# Allegro board FMDEMOD-57.brd (continued)
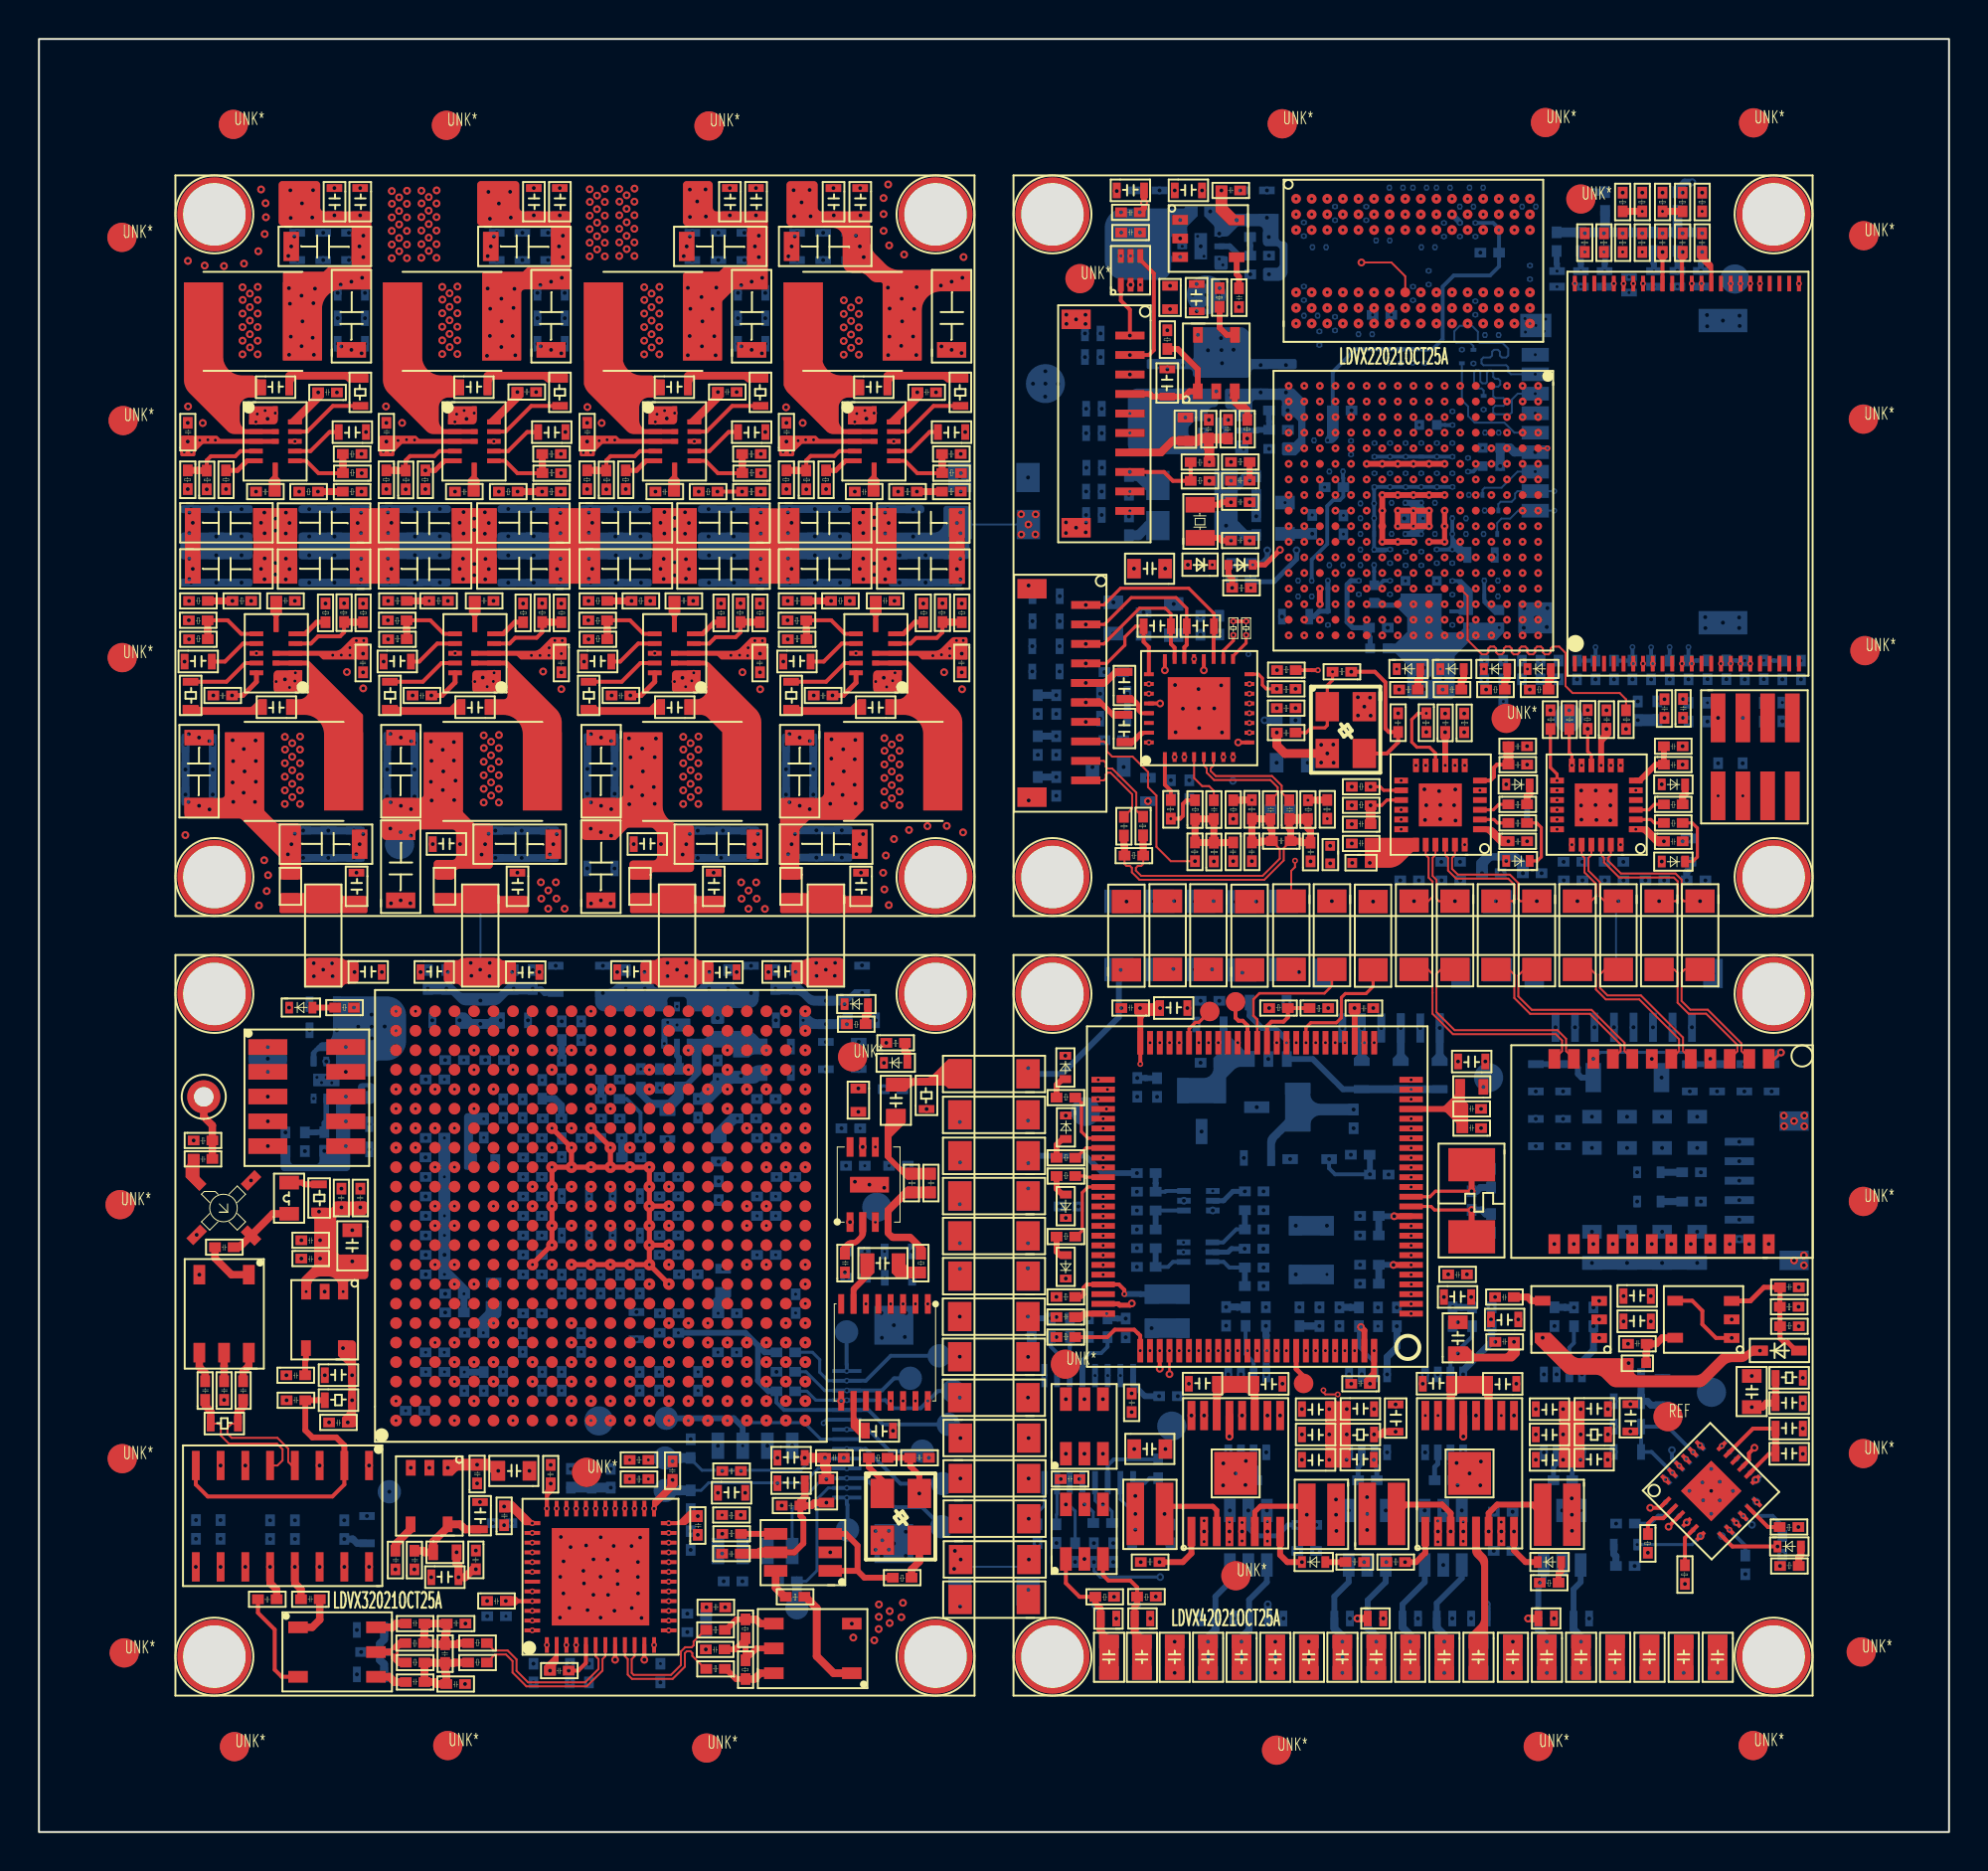
[diagram p0: board, top side]
## Routing (per net, layer and track width the routed paths; a pad name or vN(x,y) marks a point on that pad's centre or on a via; arc(x,y) is an arc through that point) (continued)
  BOTTOM w0.3: R209.2 79.11,80.47 79.11,80.47 v2(79.11,80.09)
N7099288: length 4.3
  TOP w0.2: U3.1 55.51,78.58 55.97,78.11 v9(55.97,76.78)
  SIGNAL-L3 w0.3: v9(55.97,76.78) 54.95,76.78 54.84,76.89 v12(54.47,76.89)
N7119824: length 1.4
  BOTTOM w0.2: U47.1 56.74,17.92 56.98,18.16 C596.1
N7119928: length 2.6
  BOTTOM w0.16: U47.4 54.19,17.01 54.46,16.73 54.77,16.73 55.05,16.45 C601.1
N7119940: length 2.4
  BOTTOM w0.16: U47.2 55.48,17.07 56.09,16.46 C607.1
N7119964: length 3.6
  BOTTOM w0.2: C596.2 55.14,19.12 54.84,18.81 U47.3
N7119992: length 3.2
  BOTTOM w0.16: C611.1 53.16,16.47 52.88,16.74 U47.6
N7120000: length 2.3
  BOTTOM w0.16: U47.5 53.53,16.97 54.09,16.42 C601.2
N7120004: length 2.4
  BOTTOM w0.2: U41.3 57.82,32.89 57.78,32.85 R324.2
  BOTTOM w0.3: R322.2 57.29,33.29 R324.2
N7132397: length 9
  SIGNAL-L7 w0.1: v19(54.84,23.42) 55.47,22.78 55.47,15.18 v14(55.12,14.82)
N7132401: length 2.1
  BOTTOM w0.16: U47.7 52.23,16.31 52.2,16.28 R368.1
N7132405: length 8.8
  SIGNAL-L7 w0.1: v19(54.19,23.42) 53.86,23.09 53.86,15.09 v14(54.12,14.82)
N7132409: length 2.3
  BOTTOM w0.16: U47.8 51.59,16.75 51.23,16.39 R369.1
N7132815: length 6.5
  SIGNAL-L3 w0.1: v12(55.76,26.34) 56.17,26.34 57.46,27.64 57.46,29.31 58.4,30.25 v5(58.72,30.25)
  BOTTOM w0.3: R349.2 55.32,26.35 55.33,26.34 v12(55.76,26.34)
N7132819: length 2.5
  BOTTOM w0.2: R335.2 57.93,29 58.18,29.25 U42.1
  BOTTOM w0.3: R334.2 R335.2
N7301618: length 2.9
  BOTTOM w0.2: R331.2 61.43,30.92 60.76,30.25 U42.4
  BOTTOM w0.3: R331.2 R329.2
N7301681: length 2.4
  BOTTOM w0.2: U41.1 R330.2
  BOTTOM w0.3: R330.2 R332.2
N7301693: length 2.7
  BOTTOM w0.2: U42.6 60.78,29.25 61.07,28.97 61.38,28.97 61.38,28.97 R336.2
  BOTTOM w0.3: R336.2 R338.2
N7303091: length 2
  BOTTOM w0.2: R346.1 52.9,24.91 52.88,24.89 U47.11
N7303129: length 2.1
  BOTTOM w0.2: U47.10 52.23,24.58 51.91,24.91 R347.1
N7303150: length 2.9
  BOTTOM w0.2: U47.12 53.53,24.21 53.9,24.57 54.5,24.57 54.83,24.9 R349.1
N7303177: length 9.3
  SIGNAL-L3 w0.1: v12(56.33,29.96) 55.82,29.96 55.45,29.59 55.45,28.36 54.83,27.74 54.01,27.74 52.96,26.7 52.96,24.8 v5(51.59,23.42)
N7304159: length 13.8
  SIGNAL-L3 w0.1: v12(53.87,26.36) 54.4,25.83 56.2,25.83 56.7,25.33 57.59,25.33 59.69,27.44 59.69,32.36 v5(60.22,32.89)
  BOTTOM w0.3: R346.2 v12(53.87,26.36)
N7304177: length 12.6
  SIGNAL-L7 w0.1: v14(51.91,26.36) 52.61,26.36 54.21,27.96 57.94,27.96 60.22,30.24 v14(60.22,31.89)
  BOTTOM w0.3: R348.2 v14(51.91,26.36)
N7355971: length 11.3
  SIGNAL-L3 w0.1: v9(58.2,44.28) 58.2,43.86 57.02,42.69 57.02,41.98 51.54,36.5 v9(50.75,36.5)
N7356015: length 16.4
  SIGNAL-L3 w0.1: v9(50.76,34.32) 52.94,34.32 53.69,35.07 55.44,35.07 55.9,35.53 55.9,39.67 57.24,41.01 57.68,41.01 58.26,41.59 58.26,41.76 60.19,43.69 v9(60.19,44.26)
N7356169: length 33
  SIGNAL-L7 w0.1: v18(64.65,44.12) 64.65,43.16 66.26,41.55 66.26,37.79 65.17,36.69 65.17,33.9 63.9,32.63 63.9,31.32 63.59,31.02 63.59,29.78 62.83,29.01 61.62,29.01 57.9,25.28 51.96,25.28 51.13,26.11 51.13,27.82 v14(50.75,28.21)
N7362382: length 1.1
  BOTTOM w0.36: D41.2 R321.1
N7362412: length 1.1
  BOTTOM w0.36: R327.1 D42.2
N7454523: length 2.8
  SIGNAL-L4 w0.1: v16(37.38,14.42) 36.76,14.42 36.01,15.17 v10(36.01,16.27)
N7455499: length 1.1
  TOP w0.38: D11.2 42.53,42 42.41,41.88 R136.2
N7455557: length 1.1
  TOP w0.38: 44.55,39.47 44.55,39.95 44.43,40.07 R137.2
N7467286: length 1.7
  SIGNAL-L3 w0.2: v5(21.82,23.6) 22.05,23.83 22.05,23.85 v8(22.32,24.11)
  BOTTOM w0.36: C589.2 v5(21.82,23.6)
N7498655: length 1.7
  TOP w0.4: U29.4 19.07,15.53 18.29,14.76 C211.2
N7538451: length 0.7
  SIGNAL-L3 w0.2: v8(28.32,42.11) 28.32,42.09 v5(27.82,41.6)
N7578107: length 3.4
  TOP w0.38: C143.2 R142.2 8.89,36.26 8.46,36.7 TP3.1
N7578935: length 3.6
  TOP w0.38: C149.2 10.29,30.01 A1.3 12,31.72 L19.1
N7579108: length 1.6
  TOP w0.3: R148.1 13.62,33.23 13.53,33.32 L19.2
N7579398: length 2.7
  TOP w0.38: C149.1 9.03,29.44 9.88,28.6 T2.1
N7579484: length 1.5
  TOP w0.38: T2.4 9.5,23.92 9.5,23.92 C172.2
N7579488: length 1.6
  TOP w0.38: C171.2 8.53,23.56 8.23,23.86 8.23,24.6
N7579492: length 1.6
  TOP w0.38: C173.2 10.47,23.62 10.77,23.92 10.77,24.6
N7579615: length 6.8
  TOP w0.1: R162.2 9.88,20.95 9.67,20.74 9.67,20.44 9.88,20.22 12.23,20.22 12.79,19.67 12.79,18.99 12.98,18.81 U30.4
  TOP w0.38: R162.2 10.21,21.54 10.49,21.82 10.49,22.15 C173.1
N7579629: length 7.2
  TOP w0.1: R162.1 9.23,20.95 9.33,20.85 9.33,20.34 9.75,19.93 12.21,19.93 12.5,19.64 12.5,19.07 12.23,18.81 U30.5
  TOP w0.38: R162.1 8.81,21.59 8.53,21.87 C171.1
N7580116: length 16
  TOP w0.2: U30.2 15.67,17.83 15.05,17.22 8.66,17.22 8.05,17.83 U30.8
  TOP w0.3: U30.2 15.67,19.83 15.25,20.25 14.03,20.25 13.66,20.61 C175.1 R161.1
N7580344: length 1.4
  SIGNAL-L3 w0.36: v12(8.06,15.05) 8.06,14.67 8.05,14.66 v9(8.05,13.61)
N7580738: length 1.4
  SIGNAL-L3 w0.36: v9(9.32,13.61) 9.32,14.66 9.31,14.67 v12(9.31,15.05)
N7580852: length 2.7
  SIGNAL-L3 w0.36: v9(15.67,13.61) 15.67,14.66 15.66,14.66 v12(15.66,15.03)
  BOTTOM w0.36: R364.1 16.32,14.81 16.1,15.03 v12(15.66,15.03)
N7581076: length 3.2
  TOP w0.38: C216.2 13.45,12.45 13.13,12.77 v9(13.13,13.61)
  SIGNAL-L3 w0.36: v12(13.13,15.03) 13.13,14.66 13.13,14.65 v9(13.13,13.61)
N7581083: length 3.2
  TOP w0.38: v9(11.86,13.61) 11.86,12.78 12.2,12.44 12.2,11.94
  SIGNAL-L3 w0.36: v9(11.86,13.61) 11.86,14.66 11.86,14.66 v12(11.86,15.03)
N7581207: length 2.3
  TOP w0.38: T4.1 14.02,10.5 14.4,10.89 C216.1
N7581229: length 5.3
  TOP w0.2: T4.2 12.46,7.97 12.09,8.33 12.09,10.39 11.23,11.25 11.23,11.94
N7581273: length 1.6
  TOP w0.4: C219.2 18.33,10.69 18.14,10.5 T4.5
N7581277: length 1.6
  TOP w0.4: T4.3 17.98,7.97 18.25,7.69 C243.2
N7581373: length 5.5
  TOP w0.4: C222.2 20.84,8.18 20.9,8.12 C244.1 20.41,7.59 20.31,7.69 C243.1 R195.1 20.27,8.69 20.29,8.67 C222.2 ; C222.2 21.28,8.67 21.3,8.69 R196.2
N7581387: length 5.6
  TOP w0.4: 20.84,9.64 21.47,9.64 21.53,9.69 R194.2 ; 20.84,9.64 20.84,10.17 20.92,10.25 C220.2 C219.1 19.78,10.16 19.76,10.14 R193.2 20.34,9.69 20.4,9.64 20.84,9.64
N7586253: length 2.1
  TOP w0.3: Y4.1 43.27,18.03 42.58,18.72 R166.1
N7586496: length 2.1
  TOP w0.38: 45.17,14.97 45.17,13.88 44.77,13.48 R185.2
N7586806: length 6.3
  TOP w0.3: U32.3 41.4,15.3 42,14.7 42,13.4 ; 42,13.4 42.35,13.05 R185.1 ; 42,13.4 U32.1
N7587007: length 1.8
  TOP w0.3: U32.4 36.5,15.3 R177.1
N7587454: length 1.6
  TOP w0.4: U32.6 37.8,12.54 38.26,12.07 R188.1
N7587591: length 5.5
  TOP w0.4: R188.2 39.32,12.07 39.9,11.49 39.9,9.02 40.77,8.15 T3.1
N7587990: length 4.1
  TOP w0.127: 36.25,9.9 R191.2 ; 36.25,8.86 R198.1
  TOP w0.3: C221.2 35.72,9.37 36.25,9.9 36.25,8.86 36.81,9.42 T3.4
N7588005: length 2.8
  TOP w0.3: R198.2 35.76,7.85 35.24,8.37 R197.1
  TOP w0.38: T3.5 37.01,8.15 36.71,7.85 R198.2
N7588017: length 2.8
  TOP w0.3: R191.1 35.78,10.91 35.24,10.37 R192.1
  TOP w0.38: R191.1 36.79,10.91 37.01,10.69 T3.3
N7598294: length 1.4
  TOP w0.3: C164.2 13.65,24.19 13.7,24.24 U23.4
N7767499: length 7.5
  TOP w0.127: U19.38 62.51,41.69 62.31,41.88 62.31,42.73 62.62,43.03 65.96,43.03 66.34,43.41 66.34,44.26
N7869909: length 8
  TOP w0.2: 56.51,80.87 56.51,80.67 57.2,79.97 57.2,76.04 56.95,75.78 v9(55.97,75.78)
  SIGNAL-L3 w0.3: v9(55.97,75.78) 54.95,75.78 54.84,75.68 v12(54.47,75.68)
N7921484: length 1.2
  TOP w0.3: D12.2 R133.2
N7936310: length 1.3
  TOP w0.3: D15.2 52.51,35.56 52.21,35.26 R144.2
N7936621: length 1.2
  TOP w0.3: R140.2 52.21,38.33 52.51,38.63 D14.2
N7936920: length 1.3
  TOP w0.3: D17.2 52.38,29.6 52.21,29.77 R150.2
N7937230: length 1.2
  TOP w0.3: D16.2 52.51,32.71 52.21,33.01 R145.2
N8000282: length 1.8
  TOP w0.25: U19.92 64.5,23.76 64.88,23.38 TP4.1
N8000304: length 2.1
  TOP w0.16: TP2.1 59.51,41.54 59.34,41.54 59.01,41.21 U19.45
N8000357: length 2.5
  TOP w0.2: TP1.1 61.39,41.78 61.54,41.63 61.76,41.63 62.01,41.38 U19.39
N8015227: length 1.7
  BOTTOM w0.5: R227.1 56.89,69.09 56.41,69.57 R228.1
N8015335: length 1.7
  BOTTOM w0.5: R234.1 56.42,66.54 56.91,67.03 R233.1
N8184194: length 4.2
  TOP w0.2: R28.2 8.61,70.38 8.82,70.59 10.08,70.59 10.34,70.85 U5.4
  TOP w0.36: R27.1 8.12,69.86 8.13,69.85 R28.2
N8184251: length 5.3
  TOP w0.36: v9(14.31,68.78) R41.1
  SIGNAL-L3 w0.2: v8(13.13,71.35) 14.09,71.35 14.78,70.66 14.78,69.67 14.31,69.2 v9(14.31,68.78)
N8184327: length 9
  SIGNAL-L4 w0.2: v10(14.33,73.86) 14.33,70.07 13.54,69.28 10.5,69.28 10.12,68.9 v10(9.6,68.9)
N8184405: length 1.7
  TOP w0.25: R29.1 10.18,69.86 10.67,70.35 U5.5
N8185005: length 3.9
  TOP w0.2: U5.10 13.76,71.85 15.08,73.17 R12.1
N8185163: length 2.7
  TOP w0.2: U5.8 13.93,70.85 14.91,71.83 C38.2
N8185326: length 3.7
  TOP w0.2: U5.7 13.71,70.35 14.34,69.72 R23.2
  TOP w0.36: R23.2 15.6,70.2 15.59,70.21 R17.1
N8189530: length 3.9
  TOP w0.2: R13.1 25.26,73.17 23.95,71.85 U6.10
N8189912: length 4.2
  TOP w0.2: U6.4 20.55,70.85 20.29,70.6 19.04,70.6 18.82,70.38 R31.2
  TOP w0.36: R30.1 18.33,69.86 18.34,69.85 R31.2
N8189916: length 27.1
  TOP w0.36: v9(24.56,68.78) v11(25.82,68.78)
  SIGNAL-L3 w0.2: v8(23.34,71.35) 24.54,71.35 24.99,70.9 24.99,69.64 24.56,69.2 v9(24.56,68.78)
  SIGNAL-L8 w0.2: v11(25.82,68.78) 26.54,69.5 v6(47.25,69.5)
N8189928: length 2.7
  TOP w0.2: U6.8 24.07,70.85 25.05,71.83 C39.2
N8189952: length 3.7
  TOP w0.2: R24.2 24.55,69.72 23.92,70.35 U6.7
  TOP w0.36: R24.2 25.83,70.2 25.82,70.21 R18.1
N8190068: length 9.1
  SIGNAL-L4 w0.2: v10(24.55,73.88) 24.55,69.93 23.89,69.27 20.74,69.27 20.37,68.9 v10(19.83,68.9)
N8193321: length 3.9
  TOP w0.2: R14.1 35.57,73.17 34.25,71.85 U7.10
N8193703: length 4.2
  TOP w0.2: R34.2 29.11,70.38 29.32,70.59 30.57,70.59 30.83,70.85 U7.4
  TOP w0.36: R34.2 28.63,69.85 28.62,69.86 R33.1
N8193719: length 2.6
  TOP w0.2: U7.8 34.41,70.85 35.39,71.83 C40.2
N8193743: length 3.7
  TOP w0.2: R25.2 34.83,69.72 34.2,70.35 U7.7
  TOP w0.36: R19.1 36.08,70.23 36.09,70.22 R25.2
N8193859: length 9.1
  SIGNAL-L4 w0.2: v10(34.84,73.88) 34.84,69.99 34.16,69.31 31.03,69.31 30.63,68.9 v10(30.11,68.9)
N8193943: length 1.7
  TOP w0.25: R35.1 30.66,69.86 31.15,70.35 U7.5
N8195603: length 4
  TOP w0.2: U8.10 44.58,71.85 45.9,73.17 R15.1
N8195985: length 4.2
  TOP w0.2: U8.4 41.06,70.85 40.81,70.6 39.59,70.6 39.37,70.38 R37.2
  TOP w0.36: R37.2 38.89,69.85 38.88,69.86 R36.1
N8196001: length 2.7
  TOP w0.2: U8.8 44.72,70.85 45.7,71.83 C41.2
N8196025: length 3.7
  TOP w0.2: R26.2 45.07,69.72 44.44,70.35 U8.7
  TOP w0.36: R20.1 46.33,70.21 46.34,70.2 R26.2
N8196141: length 9
  SIGNAL-L4 w0.2: v10(40.38,68.9) 41,68.9 41.37,69.28 44.3,69.28 45.06,70.05 v10(45.06,73.87)
N8196225: length 1.7
  TOP w0.25: R38.1 40.89,69.86 41.38,70.35 U8.5
N8196940: length 4.2
  TOP w0.2: R58.2 15.65,61.56 15.45,61.35 14.32,61.35 13.95,60.98 U11.4
  TOP w0.36: R58.2 16.13,62.09 16.14,62.08 R59.1
N8196944: length 5.6
  TOP w0.36: R49.1 v9(9.93,63.17)
  SIGNAL-L3 w0.2: v9(9.93,63.17) 9.93,62.74 9.46,62.28 9.46,60.92 9.9,60.48 v8(11.16,60.48)
N8196950: length 11
  TOP w0.25: v10(9.91,58.32) 10.46,58.32 11.16,59.02 U11.11
  SIGNAL-L4 w0.2: v10(9.91,58.32) 9.91,62.09 10.45,62.63 13.8,62.63 14.21,63.03 v10(14.7,63.03)
N8196956: length 1.8
  TOP w0.25: R57.1 14.25,62.08 13.66,61.48 U11.5
N8197004: length 3.8
  TOP w0.2: R86.1 9.62,59.02 10.58,59.98 U11.10
N8197022: length 2.7
  TOP w0.2: U11.8 10.47,60.98 9.54,60.05 C75.2
N8197032: length 3.8
  TOP w0.2: U11.7 10.38,61.48 9.68,62.17 R69.2
  TOP w0.36: R69.2 8.65,61.7 8.66,61.69 R75.1
N8197074: length 3.7
  TOP w0.2: R87.1 19.7,59.02 20.65,59.98 U12.10
N8197146: length 4.2
  TOP w0.2: R61.2 25.82,61.56 25.54,61.28 24.44,61.28 24.14,60.98 U12.4
  TOP w0.36: R62.1 26.3,62.08 26.29,62.09 R61.2
N8197148: length 5.3
  TOP w0.36: R51.1 v8(20.02,63.17)
  SIGNAL-L3 w0.2: v8(21.35,60.48) 20.2,60.48 19.7,60.98 19.7,62.25 20.02,62.57 v8(20.02,63.17)
N8197154: length 2.6
  TOP w0.2: U12.8 20.43,60.98 19.51,60.05 C76.2
N8197166: length 3.8
  TOP w0.2: U12.7 20.77,61.48 20.08,62.17 R70.2
  TOP w0.36: R70.2 18.86,61.69 18.87,61.68 R76.1
N8197176: length 10.9
  TOP w0.25: v10(20.13,58.32) 20.68,58.32 21.35,58.98 U12.11
  SIGNAL-L4 w0.2: v10(20.13,58.32) 20.13,62.09 20.68,62.63 23.91,62.63 24.32,63.03 v10(24.84,63.03)
N8197194: length 1.7
  TOP w0.25: R60.1 24.42,62.08 23.82,61.48 U12.5
N8197218: length 3.8
  TOP w0.2: R88.1 29.9,59.02 30.86,59.98 31.02,59.98 31.02,59.98 U13.10
N8197290: length 4.2
  TOP w0.2: R64.2 35.99,61.56 35.74,61.31 34.72,61.31 34.39,60.98 U13.4
  TOP w0.36: R65.1 36.48,62.08 36.47,62.09 R64.2
N8197292: length 5.4
  TOP w0.36: R53.1 v9(30.4,63.17)
  SIGNAL-L3 w0.2: v8(31.59,60.48) 30.55,60.48 29.94,61.09 29.94,62.28 30.4,62.74 v9(30.4,63.17)
N8197298: length 2.6
  TOP w0.2: U13.8 31.01,60.98 30.75,60.98 29.82,60.05 C77.2
N8197310: length 3.7
  TOP w0.2: U13.7 31.02,61.48 30.32,62.17 R71.2
  TOP w0.36: R71.2 29.15,61.7 29.16,61.69 R77.1
N8197320: length 10.8
  TOP w0.25: U13.11 31.59,59.02 30.89,58.32 v10(30.34,58.32)
  SIGNAL-L4 w0.2: v10(30.34,58.32) 30.34,62.04 30.93,62.63 34.09,62.63 34.49,63.03 v10(35,63.03)
N8197338: length 1.6
  TOP w0.25: U13.5 34.05,61.48 34.65,62.08 R63.1
N8197362: length 3.7
  TOP w0.2: U14.10 41.34,59.98 40.38,59.02 38.59,59.02
N8197434: length 4.2
  TOP w0.2: R67.2 46.35,61.56 46.06,61.27 45,61.27 44.71,60.98 U14.4
  TOP w0.36: R67.2 46.83,62.09 46.84,62.08 R68.1
N8197436: length 5.5
  TOP w0.36: R55.1 v9(40.64,63.17)
  SIGNAL-L3 w0.2: v8(41.92,60.48) 40.65,60.48 40.32,60.81 40.32,62.42 40.64,62.74 v9(40.64,63.17)
N8197442: length 2.7
  TOP w0.2: C78.2 40.26,60.05 41.19,60.98 U14.8
N8197454: length 3.8
  TOP w0.2: R72.2 40.65,62.17 41.34,61.48 U14.7
  TOP w0.36: R78.1 39.38,61.68 39.37,61.69 R72.2
N8197464: length 10.8
  TOP w0.25: v10(40.71,58.32) 41.27,58.32 41.92,58.97 U14.11
  SIGNAL-L4 w0.2: v10(45.37,63.03) 44.83,63.03 44.43,62.64 41.28,62.64 40.71,62.08 v10(40.71,58.32)
N8197482: length 1.7
  TOP w0.25: U14.5 44.35,61.48 44.95,62.08 R66.1
N8206279: length 1.6
  TOP w0.3: U1.4 61.45,79.92 61.57,79.81 C22.2
N8420934: length 2.7
  BOTTOM w0.3: R204.1 62.14,81.41 62.15,81.4 R212.2 61.57,80.89 61.09,81.36 U34.2
N8425431: length 4.1
  SIGNAL-L8 w0.16: v7(58.66,81.36) 59.35,81.36 60.78,79.92 v6(62.15,79.92)
N8429190: length 4
  SIGNAL-L8 w0.16: v7(59.72,71.9) 59.72,71.55 60.3,70.97 v6(63.12,70.97)
N8429316: length 2.5
  BOTTOM w0.3: R221.1 63.11,72.38 63.12,72.37 63.12,71.95 62.54,71.95 62.5,71.9 U35.2
N8449814: length 5
  SIGNAL-L8 w0.2: v6(14.74,39.54) 13.89,39.54 12.65,38.29 v6(12.65,35.9)
N8449940: length 2.8
  BOTTOM w0.28: R315.1 14.64,36.38 14.74,36.48 U38.2
  BOTTOM w0.3: R315.1 14.21,35.91 14.2,35.9 R316.2
N8561901: length 4.6
  SIGNAL-L3 w0.26: v5(32.74,42.36) 31.59,42.36 30.88,41.64 v5(30.88,39.15)
N8561999: length 2.3
  BOTTOM w0.3: U36.2 32.74,39.83 32.83,39.73 R304.1 32.82,39.15 R305.2

## Copper pours and planes (outline as drawn; the poured copper is in the pictures)
1V2_FPGA on BOTTOM (solid shape): 39.51,43.05 39.68,42.94 39.87,42.9 41.28,42.9 41.47,42.94 41.63,43.05 41.83,43.25 42.63,43.25 42.63,42.85 41.83,42.85 41.53,42.55 41.37,42.44 41.18,42.4 39.77,42.4 39.58,42.44 39.41,42.55 39.14,42.82 38.98,42.93 38.79,42.97 37.53,42.97 37.53,43.57 39,43.57
1V2_FPGA on PWR-L6: 37.37,44.87 37.37,42.82 37.52,42.67 38.97,42.67 39.04,42.75 39.36,42.75 39.74,42.37 41.13,42.37 41.47,42.71 42.73,42.71 42.9,42.87 42.9,44.84 42.85,44.89 37.39,44.89
1V2_FPGA_PWR on TOP (solid shape): 42.29,52.42 41.86,51.99 41.8,51.95 41.72,51.93 39.59,51.93 39.51,51.91 39.45,51.87 39.07,51.49 39.03,51.43 39.01,51.35 39.01,49.53 39.02,49.52 39.09,49.52 39.16,49.49 39.19,49.42 39.19,48.97 39.16,48.9 39.09,48.87 38.12,48.87 38.05,48.9 38.02,48.97 38.02,52.95 38.05,53.03 38.12,53.05 39.99,53.05 40.21,53.14 40.29,53.35 40.29,56.42 42.29,56.42
2V5_FPGA on BOTTOM (solid shape): 36.37,41.1 36.56,41.06 36.73,40.96 36.98,40.7 37.38,40.7 37.38,39.9 36.78,39.9 36.59,39.87 36.43,39.76 36.42,39.75 35.62,39.75 35.62,40.05 35.56,40.19 35.42,40.25 34.19,40.25 34.05,40.19 33.99,40.05 33.99,38.98 33.97,38.9 33.93,38.84 33.08,37.99 33.08,37.67 33.07,37.6 33.03,37.53 32.64,37.15 32.64,36.75 31.84,36.75 31.84,37.15 31.44,37.15 31.37,37.17 31.3,37.21 30.63,37.89 30.63,38.49 31.13,38.49 31.13,37.89 31.38,37.63 31.45,37.59 31.52,37.57 32.18,37.57 32.25,37.59 32.32,37.63 32.58,37.9 32.58,38.5 33.1,38.5 33.18,38.51 33.24,38.56 33.43,38.74 33.47,38.81 33.49,38.88 33.49,39.87 33.47,39.95 33.43,40.01 33.24,40.21 33.24,40.71 34.09,40.71 34.17,40.72 34.23,40.76 34.57,41.1
2V5_FPGA_IN on BOTTOM (solid shape): 31.53,43.52 31.58,43.38 31.73,43.33 33.74,43.33 33.88,43.38 33.94,43.52 33.94,43.57 35.61,43.57 35.78,43.39 35.94,43.29 36.13,43.25 36.93,43.25 36.93,42.77 36.79,42.42 36.43,42.27 35.26,42.27 35.19,42.24 35.16,42.17 35.16,41.56 35.13,41.49 35.06,41.46 34.58,41.46 34.51,41.49 34.48,41.56 34.48,42.01 34.45,42.08 34.38,42.11 33.24,42.11 33.24,42.65 33.18,42.79 33.04,42.85 32.44,42.85 32.29,42.79 32.24,42.65 32.24,42.11 29.03,42.11 28.68,42.25 28.53,42.61 28.53,43.25 29.13,43.25 29.32,43.29 29.48,43.39 29.51,43.42 29.67,43.53 29.86,43.57 31.53,43.57
2V5_FPGA_IN on PWR-L6: 28.91,41.87 34.01,41.87 34.41,41.48 36.09,41.48 37.16,42.55 37.16,44.82 37.11,44.86 27.85,44.86 27.48,44.49 27.48,43.3
2V5_FPGA_PWR on TOP (solid shape): 31.98,52.7 32.28,51.99 32.98,51.7 33.41,51.7 33.55,51.64 33.61,51.5 33.61,49.46 33.55,49.31 33.41,49.26 31.54,49.26 31.47,49.23 31.44,49.16 31.44,48.97 31.41,48.9 31.34,48.87 30.39,48.87 30.32,48.9 30.29,48.97 30.29,49.65 30.35,49.79 30.49,49.85 31.51,49.85 31.65,49.91 31.71,50.05 31.71,51.22 31.7,51.29 31.65,51.36 31.54,51.48 31.47,51.52 31.39,51.54 30.3,51.54 30.22,51.52 30.16,51.48 29.58,50.9 28.03,50.9 27.88,50.96 27.83,51.1 27.83,52.85 27.88,53 28.03,53.05 29.79,53.05 29.93,53.11 29.98,53.26 29.98,56.42 31.98,56.42
3V3_AUDIO on PWR-L6: 57,56.4 57.31,56.7 62.6,56.7 62.64,56.66 62.64,54.21 61.96,53.53 54.67,53.53 53.58,52.44 53.58,51.69 53.36,51.46 50.57,51.46 50.57,56 50.97,56.4
3V3_FPGA on BOTTOM (solid shape): 21.6,43.12 21.66,43.08 21.74,43.06 23.52,43.06 23.59,43.08 23.66,43.12 24.11,43.57 25.58,43.57 25.58,42.97 24.19,42.97 24.11,42.95 24.05,42.91 23.7,42.56 23.53,42.45 23.34,42.41 21.91,42.41 21.72,42.45 21.56,42.56 21.21,42.91 21.15,42.95 21.07,42.97 19.7,42.97 19.7,43.57 21.15,43.57
3V3_FPGA on PWR-L6: 19.05,44.83 19.05,43.12 19.75,42.41 23.55,42.41 24.05,42.91 26.38,42.91 27.01,43.54 27.01,44.4 26.5,44.91 19.13,44.91
3V3_FPGA_PWR on TOP (solid shape): 21.74,52.42 21.76,52.35 21.8,52.28 22.28,51.8 22.35,51.76 22.42,51.74 23.09,51.74 23.23,51.69 23.29,51.55 23.29,49.62 23.23,49.48 23.09,49.42 21.56,49.42 21.42,49.36 21.37,49.22 21.37,49.07 21.31,48.93 21.16,48.87 20.45,48.87 20.31,48.93 20.25,49.07 20.25,49.39 20.25,49.68 20.31,49.82 20.45,49.88 21.2,49.88 21.35,49.94 21.4,50.08 21.4,51.24 21.35,51.38 21.2,51.44 19.51,51.44 19.37,51.38 19.31,51.24 19.31,50.9 17.81,50.9 17.67,50.96 17.61,51.1 17.61,52.85 17.67,53 17.81,53.05 19.54,53.05 19.69,53.11 19.74,53.26 19.74,56.42 21.74,56.42
3V3_IF on PWR-L6: 7.56,26.01 16.05,26.01 16.53,25.52 16.53,17.41 17.38,16.56 17.38,12.6 16.91,12.13 16.32,12.13 15.31,11.12 15.31,7.54 7.56,7.54
3V3_MCU on TOP (solid shape): 58.77,7.82 57.77,7.82 57.77,10.12 58.77,10.12
3V3_MCU on TOP (solid shape): 69.11,7.82 68.11,7.82 68.11,10.12 69.11,10.12
3V3_MCU on TOP (solid shape): 77.86,7.82 76.86,7.82 76.86,10.12 77.86,10.12
3V3_MCU on TOP (solid shape): 67.8,42.03 67.66,41.88 67.66,39.9 67.36,39.9 67.36,41.87 67.2,42.03 67.2,42.53 67.8,42.53
3V3_MCU on TOP (solid shape): 68.65,23.4 68.64,23.32 68.59,23.25 68.59,22.75 67.99,22.75 67.99,23.25 68.29,23.55 68.34,23.62 68.35,23.7 68.35,25.3 68.65,25.3
3V3_MCU on TOP (solid shape): 55.2,26.45 53.82,26.45 53.74,26.43 53.68,26.39 53.46,26.17 52.86,26.17 52.86,26.67 53.46,26.67 53.48,26.69 53.54,26.73 53.62,26.75 55.2,26.75
3V3_MCU on TOP (solid shape): 57.72,41.88 56.86,41.88 56.72,41.82 56.66,41.68 56.66,39.9 56.36,39.9 56.36,41.75 56.34,41.83 56.3,41.89 56.2,42 56.2,42.53 57.09,42.53 57.16,42.54 57.23,42.58 57.32,42.68 57.72,42.68
3V3_MCU on TOP (solid shape): 75.98,24.57 75.96,24.49 75.92,24.43 75.7,24.2 75.64,24.16 75.56,24.15 72.3,24.15 72.3,24.91 73.3,24.91 73.61,24.6 73.67,24.56 73.75,24.54 75.18,24.54 75.32,24.6 75.38,24.74 75.38,25.4 75.98,25.4
3V3_MCU on TOP (solid shape): 78.7,24.46 78.87,24.35 79.06,24.31 81.81,24.31 81.81,23.66 81.83,23.58 81.87,23.52 81.9,23.48 81.97,23.44 82.04,23.43 84.99,23.43 85.18,23.46 85.34,23.57 86.24,24.47 86.4,24.58 86.59,24.62 87.36,24.62 87.55,24.65 87.71,24.76 87.9,24.95 88.7,24.95 88.7,24.45 88.08,24.45 87.89,24.41 87.73,24.3 87.68,24.26 87.52,24.15 87.33,24.11 86.88,24.11 86.69,24.07 86.53,23.96 85.53,22.97 85.37,22.86 85.17,22.82 80.93,22.82 80.74,22.86 80.57,22.97 80.22,23.32 80.06,23.42 79.87,23.46 78.61,23.46 78.42,23.5 78.26,23.61 76.75,25.12 76.75,25.61 77.55,25.61
3V3_MCU on BOTTOM (solid shape): 63.94,7.82 62.94,7.82 62.94,10.12 63.94,10.12
3V3_MCU on BOTTOM (solid shape): 66.43,30.61 64.13,30.61 64.13,31.61 66.43,31.61
3V3_MCU on BOTTOM (solid shape): 74.36,7.82 73.36,7.82 73.36,10.12 74.36,10.12
3V3_MCU on PWR-L6: 50.05,44.95 90.95,44.95 90.95,7.05 50.05,7.05
3V3_MCU_A on TOP (solid shape): 73.16,37.61 73.18,37.53 73.22,37.47 73.33,37.35 73.33,35.87 72.73,35.87 72.73,36.28 72.71,36.36 72.67,36.43 72.21,36.89 72.14,36.93 72.07,36.95 69.8,36.95 69.8,37.25 71.99,37.25 72.07,37.26 72.13,37.31 72.6,37.77 72.64,37.84 72.66,37.91 72.66,38.63 73.16,38.63
5V_AUDIO on PWR-L6: 56.02,60.84 56.02,61.69 56.18,61.84 60.92,61.84 61.02,61.75 61.02,59.46 59.79,58.24 57.66,58.24 56.33,56.91 50.57,56.91 50.57,59.93 55.11,59.93
5V_FPGA on TOP (solid shape): 23.02,19.15 23.09,19.13 23.16,19.09 23.21,19.03 23.91,19.03 23.91,18.03 23.21,18.03 23.21,18.35 23.16,18.49 23.01,18.55 21.57,18.55 21.49,18.53 21.43,18.49 21.23,18.29 20.73,18.29 20.73,19.09 21.23,19.09 21.29,19.13 21.37,19.15
5V_FPGA on TOP (solid shape): 16.73,32.35 16.8,32.32 16.83,32.25 16.83,31.84 16.77,31.7 16.63,31.64 15.45,31.64 15.31,31.58 15.25,31.44 15.25,29.83 15.31,29.69 15.45,29.63 16.7,29.63 16.84,29.57 16.9,29.43 16.9,28.57 16.84,28.43 16.7,28.37 16.06,28.37 15.92,28.31 15.86,28.17 15.86,27.33 15.36,27.33 15.36,28 15.21,28.36 14.86,28.5 14.46,28.5 14.1,28.36 13.96,28 13.96,27.33 13.46,27.33 13.46,28.32 13.47,28.4 13.52,28.46 14.06,29.01 14.11,29.07 14.12,29.15 14.12,31.4 14.11,31.47 14.06,31.54 13.97,31.63 13.97,32.03 14.98,32.03 15.05,32.06 15.08,32.13 15.08,32.25 15.11,32.32 15.18,32.35
5V_FPGA on BOTTOM (solid shape): 17.04,38.42 17.19,38.36 17.24,38.22 17.24,37.57 17.19,37.42 17.04,37.37 16.17,37.37 16.03,37.31 15.97,37.17 15.97,34.39 15.97,34.39 15.97,34.11 15.91,33.97 15.77,33.91 12.6,33.91 12.46,33.97 12.4,34.11 12.4,35.24 12.9,35.24 12.9,34.45 12.96,34.31 13.1,34.25 14.19,34.25 14.33,34.31 14.39,34.45 14.39,35.25 15.04,35.25 15.18,35.3 15.24,35.45 15.24,37.89 16.16,37.89 16.31,37.95 16.36,38.09 16.36,38.22 16.42,38.36 16.56,38.42
5V_FPGA on PWR-L6 (solid shape): 42.46,38.94 43.04,38.36 43.64,38.36 43.64,37.86 42.48,37.86 42.44,37.9 41.64,37.9 41.64,38.55 41.66,38.57 41.66,39.35 42.46,39.35
5V_FPGA on PWR-L6: 19.15,17.4 23.93,17.4 24.36,17.84 24.36,19.92 24.21,20.08 18.27,20.08 17.81,20.53 17.81,38.11 17.33,38.59 15.2,38.59 14.96,38.82 12.14,38.82 10.71,40.25 7.37,40.25 7.19,40.07 7.19,26.8 7.42,26.57 16.24,26.57 16.88,25.92 16.88,18.64 17.21,18.31 18.24,18.31
5V_FPGA_IN on BOTTOM (solid shape): 17.84,42.88 18.55,42.58 18.84,41.88 18.84,40.59 18.55,39.88 17.84,39.59 17.44,39.59 17.3,39.53 17.24,39.39 17.24,38.88 17.21,38.81 17.14,38.78 16.46,38.78 16.39,38.81 16.36,38.88 16.36,39.09 16.31,39.23 16.16,39.29 15.24,39.29 15.24,39.93 15.23,39.97 15.2,40.01 15.14,40.05 15.06,40.07 14.42,40.07 14.34,40.05 14.28,40.01 14.25,39.97 14.24,39.93 14.24,39.29 13.94,39.29 13.94,39.93 13.96,40 14,40.07 14.4,40.47 14.46,40.51 14.54,40.53 14.58,40.53 14.94,40.67 15.08,41.03 15.08,42.88
5V_FPGA_IN on PWR-L6: 18.48,44.78 18.48,41.64 18.08,41.64 17.84,41.4 17.84,39.31 17.68,39.15 15.34,39.15 15.18,39.32 12.78,39.32 11.4,40.7 11.4,44.75 11.5,44.85 18.42,44.85
5V_FPGA_PWR on TOP (solid shape): 11.55,52.5 11.56,52.43 11.61,52.36 12.16,51.8 12.23,51.76 12.3,51.74 13.25,51.74 13.39,51.69 13.45,51.55 13.45,48.97 13.42,48.9 13.34,48.87 12.45,48.87 12.38,48.9 12.35,48.97 12.35,49.92 12.34,49.99 12.29,50.06 10.4,51.95 10.34,51.99 10.26,52.01 7.66,52.01 7.52,52.06 7.46,52.2 7.46,53.05 9.35,53.05 9.49,53.11 9.55,53.26 9.55,53.28 9.55,56.42 11.55,56.42
5V_MCU on PWR-L6: 86.5,33.37 90.83,33.37 90.9,33.43 90.9,37.44 90.78,37.56 76.11,37.56 75.57,37.01 75.57,29.03 74.43,27.89 74.01,27.89 74.01,26.38 74.03,26.37 74.03,25.27 74.01,25.26 74.01,24.15 73.58,23.73 72.01,23.73 71.78,23.96 71,23.96 70.46,24.49 70.46,26.09 70.18,26.37 69.28,26.37 69.2,26.29 69.2,24.98 68.95,24.73 68.95,24.22 68.79,24.06 63.31,24.06 63.28,24.09 63.28,26.37 63.2,26.46 62.54,26.46 62.42,26.34 62.42,22.99 62.69,22.72 77.36,22.72 77.69,23.05 79.33,23.05 79.4,23.12 79.55,23.27 79.55,23.85 80.09,24.39 84.25,24.39 84.96,25.11 84.96,27.45 84.35,28.06 78.14,28.06 78.13,28.05 77.44,28.74 77.44,33.14 77.96,33.66 81.12,33.66 81.44,33.34 86.17,33.34 86.2,33.37 86.49,33.37
